# Altium PCB PCB1.PcbDoc (part 2 of 2)
Units mm, origin at the board's own origin, x right, y up, seen from the top; angles counter-clockwise.
Board outline 45.33 x 29.59 mm, 4 copper layers (Top Layer, Int1 (GND), Int2 (PWR), Bottom Layer), stack 1.586 mm thick; 72 components, 53 nets, 240 pads, 118 vias.
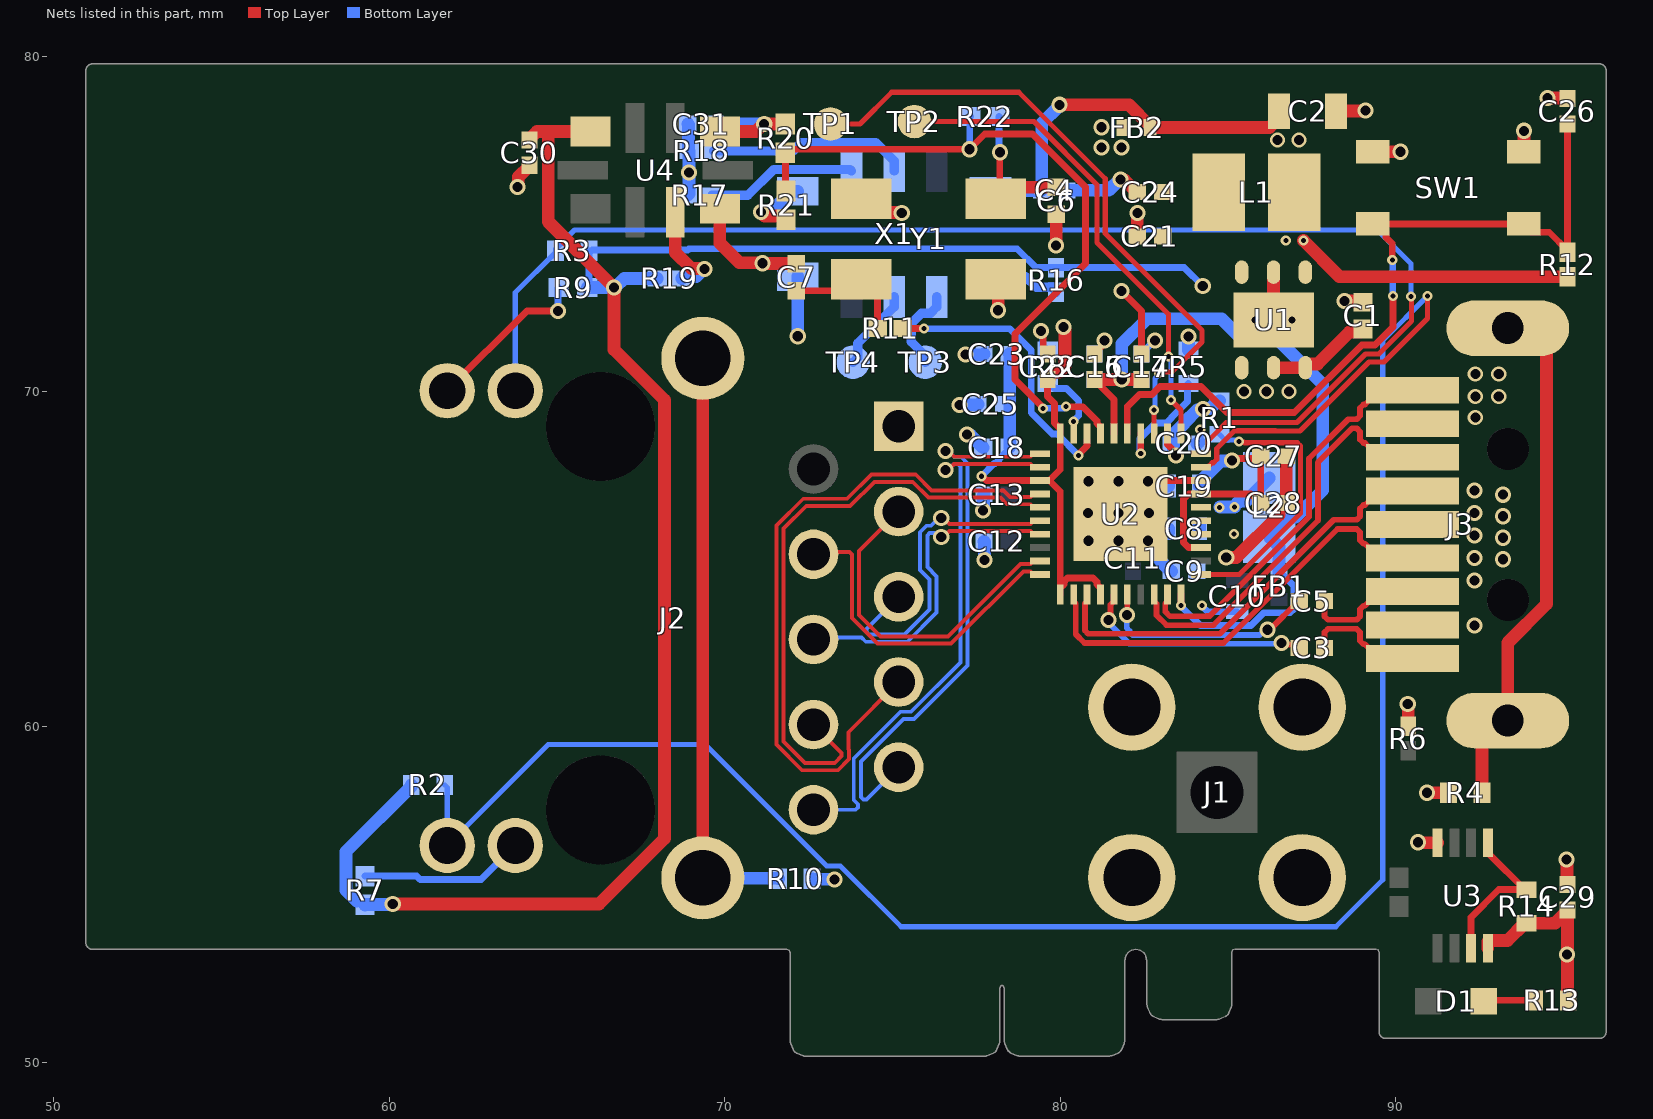
[diagram p4: the nets of this part, all layers, seen from the top]

## Via types
v1: diameter 0.48, hole 0.3, Top Layer to Bottom Layer, tented both sides, 78 vias
v2: diameter 0.3, hole 0.15, Top Layer to Bottom Layer, tented both sides, 28 vias
v3: diameter 0.45, hole 0.3, Top Layer to Bottom Layer, tented both sides, 10 vias
v4: diameter 0.5, hole 0.2, Top Layer to Bottom Layer, 2 vias

## Nets (pads, with @x,y where several pads share a name; then routed paths per layer and width w, separated by ;. In a path a pad name is that pad's centre, name@x,y a point inside that pad or via, vN(x,y) a via of type N, cw(c..) or ccw(c..) an arc to the next point about the centre after c; other vN are vias at no path point) (continued)
AVDD_33: C18.2 C21.2 C22.2 C23.2 C24.2 C25.2 FB2.2 U2.1 U2.4 U2.30 U2.33 | length 16.6
  Top Layer w0.203: v2(77.65,67.475) 77.676,67.475 77.803,67.348 U2.33@79.401,67.348 79.403,67.349 79.673,67.349 80.001,67.677 U2.30@80.001,68.748 80,68.749 80,68.946 79.949,68.946 79.828,69.067 79.828,69.641 79.618,69.852 C22.2@79.618,70.35 ; U2.33@79.673,67.346 80.001,67.019 U2.1@80.001,64.145 ; U2.1@80.001,63.948 U2.1@80.001,64.145 ; U2.4@81.201,63.948 81.201,64.145 81.093,64.254 81.093,64.327 80.98,64.44 80.222,64.44 80.11,64.327 80.11,64.254 U2.1@80.001,64.145
  Top Layer w0.381: C22.2@79.629,70.36 79.629,70.382 79.827,70.579 79.981,70.579 80.146,70.744 80.146,71.852 80.1,71.898 v1(80.1,71.925)
  Bottom Layer w0.203: v2(77.65,67.475) 78.028,67.853 78.063,67.853 78.184,67.975 78.184,68.003 C18.2@78.506,68.326 ; C18.2@78.495,68.337 C18.2@78.506,68.326
  Bottom Layer w0.381: C23.2@78.484,71.12 78.495,71.109 78.495,69.723 C18.2@78.495,68.337
  other v1: 81.225,77.275 81.825,77.275 81.225,77.88
CHASSIS_GND: J2.S1 J2.S2 R10.1 | length 18
  Top Layer w0.381: J2.S2@69.076,55.501 J2.S2@69.344,55.501 J2.S1@69.344,70.991
  Bottom Layer w0.381: J2.S2@69.344,55.501 69.357,55.488 71.587,55.488 R10.1@71.6,55.475
D_N: J3.2 U2.3 | length 12.8
  Top Layer w0.17: U2.3@80.801,63.948 80.801,63.748 80.737,63.684 80.737,62.876 80.837,62.777 84.757,62.777 88.156,66.176 88.84,66.176 88.94,66.276 88.94,66.513 89.042,66.615 89.09,66.615 89.515,67.04 J3.2@90.505,67.04
D_P: J3.3 U2.2 | length 13.3
  Top Layer w0.17: U2.2@80.401,63.948 80.401,63.748 80.465,63.684 80.465,62.764 80.724,62.505 84.87,62.505 88.269,65.904 88.84,65.904 88.94,65.804 88.94,65.567 89.042,65.465 89.09,65.465 89.515,65.04 J3.3@90.505,65.04
DVDD11: C8.2 C9.2 C14.2 C15.2 C16.2 C17.2 FB1.1 L2.2 U2.10 U2.14 U2.15 U2.26 | length 24.9
  Top Layer w0.203: C16.2@81.026,70.36 81.026,70.339 81.601,69.764 U2.26@81.601,68.748 ; v2(83.601,63.623) U2.10@83.601,63.948
  Top Layer w0.381: C16.2@81.026,70.36 v1(81.835,70.36) C17.2@82.423,70.36
  Bottom Layer w0.203: v2(83.601,63.623) 83.601,63.599 84.179,63.021 85.692,63.021 86.079,63.409 86.854,63.409 86.967,63.521 86.967,64.209 86.575,64.6 FB1.1@86.525,64.6
  Bottom Layer w0.381: C15.2@81.026,70.36 v1(81.835,70.36) ; C14.2@82.423,70.36 v1(81.835,70.36) ; C8.2@84.156,65.913 C8.2@84.156,66.025 ; FB1.1@86.525,64.6 86.525,65.38 L2.2@86.233,65.672 86.82,66.259 87.02,66.259 87.83,67.069 87.83,70.209 86.434,71.605 85.379,71.605 84.817,72.168 82.583,72.168 81.835,71.42 v1(81.835,70.36)
  other v2: 85.175,65.75
DVDD_33: C2.2 C4.2 C19.2 C20.2 C27.2 C28.2 C30.2 FB2.1 L1.2 R1.2 R2.1 R3.1 R5.2 R6.1 R7.1 R9.1 R12.2 R16.1 R19.1 U1.1 U2.13 U2.17 U2.22 U4.9 X1.10 | length 92.7
  Top Layer w0.203: U2.22@83.203,68.549 83.203,68.422 83.457,68.168 v1(83.457,68.093) ; U2.13@84.201,65.348 83.825,65.348 83.675,65.498 83.675,66.798 83.825,66.948 85.687,66.948 85.96,66.675 C28.2@85.981,66.675 C27.2@85.981,68.072 85.912,68.003 85.178,68.003 v1(85.125,67.95)
  Top Layer w0.381: v1(60.1,54.725) 66.25,54.725 68.2,56.675 68.2,69.75 66.7,71.25 v1(66.7,73.1) 64.736,75.064 64.736,77.711 64.775,77.75 ; C30.2@64.175,77.504 64.175,77.525 64.4,77.75 64.775,77.75 ; U4.9@66,77.75 64.775,77.75 ; v1(79.975,78.55) 82.047,78.55 82.677,77.92 FB2.1@82.677,77.87 86.237,77.87 86.526,78.159 C2.2@86.526,78.359 ; v2(87.25,74.5) 88.329,73.421 R12.2@95.123,73.421 ; R6.1@90.375,60.016 v1@90.375,60.675
  Bottom Layer w0.203: R9.1@65.904,73.1 65.95,73.146 R3.1@65.95,74.2 66.025,74.2 66.05,74.225 68.898,74.225 68.929,74.257 78.719,74.257 79.272,73.703 83.697,73.703 v1(84.25,73.15)
  Bottom Layer w0.381: R7.1@59.024,54.814 58.708,55.13 58.708,56.283 60.65,58.225 R2.1@60.65,58.275 ; R7.1@59.275,54.696 59.289,54.711 60.086,54.711 v1(60.1,54.725) ; R9.1@65.904,73.1 v1(66.7,73.1) 66.727,73.1 67.002,73.375 R19.1@67.984,73.375 ; X1.10@77.925,75.97 77.94,75.985 79.431,75.985 C4.2@79.446,76 79.446,77.995 79.975,78.523 v1(79.975,78.55) ; v1(83.457,68.093) 83.457,68.12 83.382,68.195 83.382,68.407 83.336,68.453 83.382,68.499 83.382,68.733 83.699,69.05 83.699,69.07 84.089,69.461 84.241,69.461 v1(84.26,69.48) ; R5.2@83.82,71.239 83.822,71.241 v1(83.822,71.648) ; C19.2@84.156,67.183 84.156,67.295 84.791,67.931 85.106,67.931 v1(85.125,67.95) ; v1@84.26,69.499 84.474,69.499 84.641,69.665 84.691,69.665 R1.2@84.75,69.725
  other v1: 90.363,60.687
  other v2: 86.725,74.5
  other v3: 86.475,77.5 87.125,77.5
GND: C1.1 C2.1 C4.1 C6.2 C7.2 C8.1 C9.1 C10.1 C11.1 C12.1 C13.1 C14.1 C15.1 C16.1 C17.1 C18.1 C19.1 C20.1 C21.1 C22.1 C23.1 C24.1 C25.1 C26.1 C27.1 C28.1 C29.1 C30.1 C31.2 J1.2 J1.3 J1.4 J1.5 J2.1 J3.4 J3.7 R4.1 R8.2 R10.2 R17.1 R18.1 SW1.1 SW1.2 U1.2 U1.7 U2.18 U2.41 U3.4 U4.4 X1.5 Y1.2 Y1.4 | length 39.7
  Top Layer w0.203: v1(79.425,71.8) 79.425,71.725 79.494,71.656 79.494,71.252 C22.1@79.629,71.118 ; C16.1@81.026,71.118 81.026,71.139 81.272,71.385 81.272,71.472 v1(81.325,71.525) ; v1(81.825,73) 82.423,72.402 C17.1@82.423,71.118 ; v1(82.623,67.326) 82.645,67.348 U2.18@84.201,67.348
  Top Layer w0.381: v1(63.825,76.1) 63.844,76.119 63.844,76.394 64.175,76.725 C30.1@64.175,76.746 ; U4.4@69.85,75.45 69.85,74.425 70.431,73.844 71.106,73.844 71.135,73.815 C7.2@72.132,73.815 ; Y1.2@74.089,76.043 74.782,75.35 74.782,75.339 75.263,75.339 v1(75.275,75.327) ; v1(78.15,72.425) 78.15,72.939 78.521,73.311 Y1.4@78.573,73.311 ; v1(79.875,74.35) 79.879,74.354 79.879,75.295 C6.2@79.886,75.302 ; v1(81.8,76.325) 81.819,76.306 81.917,76.306 82.275,75.948 C24.1@82.275,75.941 ; C21.1@82.296,74.625 82.298,74.627 82.298,75.323 v1(82.3,75.325) ; v1(84.95,65.05) 85.247,65.05 86.52,66.323 86.52,66.477 86.717,66.675 C28.1@86.739,66.675 C27.1@86.739,68.072 ; U1.7@86.36,72.136 U1.2@86.36,73.561 ; C2.1@88.348,78.386 88.348,78.38 88.361,78.367 89.092,78.367 v1(89.1,78.375) ; v1(88.475,72.7) 88.991,72.7 C1.1@89.027,72.664 ; SW1.1@89.598,77.186 89.634,77.15 v1(90.15,77.15) ; v1@90.675,56.55 U3.4@91.25,56.55 ; v1@90.925,58.05 v1(90.936,58.039) R4.1@91.575,58.039 ; SW1.2@93.789,77.223 93.825,77.259 v1(93.825,77.775) ; v1(94.525,78.75) 95.041,78.75 C26.1@95.077,78.714 ; v1(95.1,56.05) 95.112,56.038 95.112,55.316 C29.1@95.125,55.304
  Bottom Layer w0.203: v1(79.425,71.8) 79.478,71.747 79.478,71.387 79.626,71.239 R8.2@79.629,71.239 ; C14.1@82.423,71.118 82.423,71.139 82.809,71.525 v1(82.825,71.525) ; C20.1@84.072,68.453 84.175,68.556 v2(84.175,68.875) ; v2(84.225,63.623) 84.225,63.6 84.388,63.437 C10.1@85.275,63.437
  Bottom Layer w0.381: R17.1@68.884,75.85 68.889,75.85 68.934,75.896 v1(68.934,76.535) R18.1@68.934,77.175 68.917,77.192 68.917,77.958 C31.2@68.9,77.975 ; v1(72.175,71.65) X1.5@72.175,73.43 ; R10.2@72.6,55.475 72.612,55.463 73.263,55.463 v1(73.275,55.45) ; v1(76.999,69.605) 77.53,69.605 C25.1@77.55,69.625 ; v1(77.175,71.1) 77.706,71.1 C23.1@77.726,71.12 ; v1(77.225,68.725) 77.244,68.706 77.325,68.706 C18.1@77.704,68.326 ; v1(77.7,66.45) 77.713,66.463 77.713,66.916 C13.1@77.726,66.929 ; C12.1@77.726,65.532 77.746,65.512 v1(77.746,64.981) ; C4.1@80.204,76 81.448,76 81.773,76.325 v1(81.8,76.325) ; v1(81.736,65.551) 81.763,65.551 81.845,65.47 82.123,65.47 82.169,65.424 C11.1@82.169,65.403 ; v1(82.623,65.551) 82.642,65.533 82.642,65.294 83.293,64.643 C9.1@83.314,64.643 ; v1(82.623,67.326) 82.642,67.308 83.196,67.308 83.23,67.273 C19.1@83.23,67.183 ; 82.888,65.57 83.083,65.766 83.196,65.766 83.23,65.801 C8.1@83.23,65.913 ; C20.1@84.072,68.453 84.093,68.453 C20.1@84.139,68.499
  other v1: 90.663,56.563 92.35,63.025 92.35,64.367 93.2,65 92.35,65.037 80.848,65.551 93.2,65.642 92.35,65.708 93.2,66.283 80.824,66.375 81.736,66.375 82.649,66.375 92.35,66.379 93.2,66.925 92.35,67.05 80.848,67.326 81.736,67.326 71.125,73.825
  other v4: 85.81,72.136 86.91,72.136
LED0: J2.14 R2.2 U2.19 | length 61.2
  Top Layer w0.153: U2.19@84.201,67.748 84.401,67.748 84.533,67.88 84.568,67.88 84.667,67.979 84.667,68.306 85.194,68.833 86.417,68.833 86.425,68.825 87.15,68.825 89.204,70.879 89.654,70.879 90.95,72.175 v2(90.95,72.85)
  Bottom Layer w0.153: R2.2@61.65,58.275 61.724,58.201 J2.14@61.724,56.466 64.733,59.475 69.419,59.475 73.038,55.856 73.443,55.856 75.257,54.043 88.218,54.043 89.618,55.443 89.618,71.518 v2(90.95,72.85)
LED1: J2.11 R3.2 U2.20 | length 40.5
  Top Layer w0.153: U2.20@84.387,68.148 84.41,68.171 84.41,68.535 84.95,69.075 84.966,69.075 ; 84.967,69.076 87.057,69.076 89.104,71.122 89.498,71.122 90.475,72.099 v2@90.475,72.825
  Bottom Layer w0.153: J2.11@63.754,70.026 63.754,72.954 64.95,74.15 R3.2@64.95,74.2 64.95,74.25 65.517,74.817 89.456,74.817 90.463,73.81 v2(90.463,72.837)
LX: L2.1 U2.16 | length 1.8
  Bottom Layer w0.381: v2@84.762,66.562 v2(85.198,66.562) ; v2@85.184,66.575 85.339,66.73 85.538,66.73 L2.1@86.233,67.424
  other v2: 84.75,66.55
MDI0_N: J2.10 U2.32 | length 16.5
  Top Layer w0.116: v1(76.581,67.663) 76.655,67.663 76.831,67.839 77.972,67.839 79.11,67.839 79.201,67.748 U2.32@79.401,67.748
  Bottom Layer w0.116: J2.10@72.644,57.531 73.9,57.531 73.968,57.599 73.968,57.695 73.843,57.82 73.843,59.059 75.238,60.454 75.551,60.454 77.022,61.924 77.022,67.771 76.954,67.839 76.831,67.839 76.655,67.663 v1(76.581,67.663)
MDI0_P: J2.9 U2.31 | length 16.7
  Top Layer w0.116: v1(76.581,68.233) 76.655,68.233 76.831,68.057 77.882,68.057 79.11,68.057 79.201,68.148 U2.31@79.401,68.148
  Bottom Layer w0.116: J2.9@75.184,58.801 74.225,57.842 74.129,57.842 74.061,57.91 74.061,58.969 75.328,60.236 75.642,60.236 77.239,61.834 77.239,67.861 77.044,68.057 76.831,68.057 76.655,68.233 v1(76.581,68.233)
MDI1_N: J2.8 U2.35 | length 18.3
  Top Layer w0.116: J2.8@72.644,60.071 73.485,59.23 73.485,59.134 73.279,58.928 72.39,58.928 71.755,59.563 71.755,65.913 72.428,66.586 73.738,66.586 74.46,67.308 75.603,67.308 76.073,66.838 78.216,66.838 78.415,66.639 79.11,66.639 79.201,66.548 U2.35@79.401,66.548
MDI1_P: J2.7 U2.34 | length 20.9
  Top Layer w0.116: J2.7@75.184,61.341 73.687,59.844 73.687,59.336 73.703,59.32 73.703,59.044 73.369,58.71 72.3,58.71 71.537,59.473 71.537,66.003 72.338,66.804 73.648,66.804 74.369,67.526 75.693,67.526 76.163,67.056 78.306,67.056 78.505,66.857 79.11,66.857 79.201,66.948 U2.34@79.401,66.948
MDI2_N: J2.6 U2.37 | length 10.1
  Top Layer w0.116: v1(76.454,65.663) 76.528,65.663 76.704,65.839 78.281,65.839 79.11,65.839 79.201,65.748 U2.37@79.401,65.748
  Bottom Layer w0.116: J2.6@72.644,62.611 72.705,62.672 74.071,62.672 74.203,62.54 75.442,62.54 76.315,63.413 76.315,64.492 76.04,64.767 76.04,65.714 76.108,65.783 76.236,65.783 76.356,65.663 v1(76.454,65.663)
MDI2_P: J2.5 U2.36 | length 9.9
  Top Layer w0.116: v1(76.454,66.233) 76.528,66.233 76.704,66.057 78.191,66.057 79.11,66.057 79.201,66.148 U2.36@79.401,66.148
  Bottom Layer w0.116: J2.5@75.184,63.881 74.225,62.922 74.225,62.826 74.293,62.758 75.352,62.758 76.097,63.503 76.097,64.402 75.822,64.677 75.822,65.805 76.018,66 76.147,66 76.38,66.233 v1(76.454,66.233)
MDI3_N: J2.4 U2.40 | length 10
  Top Layer w0.116: J2.4@72.644,65.151 72.705,65.212 73.719,65.212 73.787,65.144 73.787,64.338 73.787,63.246 74.549,62.484 76.747,62.484 78.902,64.639 79.11,64.639 79.201,64.548 U2.40@79.401,64.548
MDI3_P: J2.3 U2.39 | length 10.2
  Top Layer w0.116: J2.3@75.184,66.421 74.005,65.242 74.005,64.248 74.005,63.336 74.639,62.702 76.657,62.702 78.812,64.857 79.11,64.857 79.201,64.948 U2.39@79.401,64.948
NetC6_1: C6.1 R22.1 Y1.1 | length 4.3
  Top Layer w0.203: Y1.1@78.073,75.749 78.2,75.876 v1(78.2,77.135)
  Top Layer w0.381: Y1.1@78.2,75.876 78.416,76.092 C6.1@79.883,76.092
  Bottom Layer w0.203: v1@78.175,77.15 78.179,77.154 R22.1@78.179,78.2
NetC7_1: C7.1 R11.1 Y1.3 | length 3.7
  Top Layer w0.203: C7.1@72.136,73.006 73.73,73.006 Y1.3@74.073,73.349 74.555,72.867 R11.1@74.555,71.882
NetC31_1: C31.1 R20.1 U4.6 | length 3.5
  Top Layer w0.381: U4.6@69.85,77.75 70.923,77.75 71.148,77.975 v1(71.175,77.975) 71.177,77.977 71.798,77.977 R20.1@71.8,77.979
  Bottom Layer w0.381: C31.1@69.7,77.975 v1(71.175,77.975)
NetD1_2: D1.2 R13.2 | length 1.5
  Top Layer w0.203: D1.2@92.625,51.825 92.65,51.85 R13.2@94.15,51.85
NetJ2_12: J2.12 R9.2 | length 5.3
  Top Layer w0.203: J2.12@61.724,70.026 64.098,72.4 v1(65.025,72.4)
  Bottom Layer w0.203: J2.12@61.724,70.026 61.724,69.751 J2.12@61.75,69.725 ; v1(65.025,72.4) 65.025,73.079 R9.2@65.046,73.1
NetJ2_13: J2.13 R7.2 | length 5.1
  Bottom Layer w0.153: J2.13@63.754,56.466 J2.13@63.84,56.38
  Bottom Layer w0.203: R7.2@59.275,55.554 60.813,55.554 60.917,55.45 62.737,55.45 J2.13@63.754,56.466
NetJ3_SH1: J3.SH1 J3.SH2 R4.2 | length 15.6
  Top Layer w0.381: R4.2@92.575,58.039 92.575,59.599 93.166,60.19 J3.SH1@93.345,60.19 93.345,62.509 94.5,63.664 94.5,71.299 93.909,71.89 J3.SH2@93.345,71.89
NetL1_1: L1.1 U1.3
NetR1_1: R1.1 U2.11 | length 8.3
  Top Layer w0.153: U2.11@84.201,64.548 85.341,64.548 87.163,66.37 87.163,68.377 87.065,68.475 85.493,68.475 85.48,68.488 85.353,68.488 v2(85.325,68.516)
  Bottom Layer w0.153: R1.1@84.75,68.725 84.924,68.552 85.25,68.552 85.285,68.516 v2(85.325,68.516)
NetR5_1: R5.1 U2.24 | length 3.5
  Top Layer w0.203: v2(82.401,68.151) v2(82.401,68.151) U2.24@82.401,68.748
  Bottom Layer w0.203: v2(82.401,68.151) 82.382,68.17 82.382,68.602 82.839,69.059 83.166,69.059 83.317,69.209 83.317,69.228 83.792,69.704 83.792,70.211 R5.1@83.82,70.239
NetR8_1: R8.1 U2.29 | length 1.8
  Bottom Layer w0.203: R8.1@79.629,70.239 79.679,70.239 79.827,70.091 80.188,70.091 80.55,69.728 80.55,69.279 80.399,69.128 v2(80.399,69.112)
NetR14_1: R14.1 U3.1 U3.7 | length 4.8
  Top Layer w0.203: U3.7@92.25,53.4 92.25,54.325 93.075,55.15 R14.1@93.85,55.15 ; U3.1@92.75,56.55 92.799,56.502 92.799,56.201 R14.1@93.85,55.15 ; R14.1@93.9,55.15 R14.1@93.85,55.15
NetR16_2: R16.2 X1.1 | length 2.2
  Bottom Layer w0.276: X1.1@77.925,73.43 78.964,73.43 79.282,73.112 79.777,73.112 79.875,73.014 R16.2@79.875,72.959
NetR17_2: R17.2 X1.7 | length 4.5
  Bottom Layer w0.276: R17.2@69.616,75.85 70.682,75.85 71.456,76.623 72.894,76.623 73.732,76.623 X1.7@73.78,76.575
NetR18_2: R18.2 X1.8 | length 6
  Bottom Layer w0.276: R18.2@69.666,77.175 72.031,77.175 72.284,77.428 74.497,77.428 75.05,76.875 X1.8@75.05,76.575
NetR19_2: R19.2 U4.3 | length 3.1
  Top Layer w0.381: U4.3@68.525,75.343 68.525,74.15 69.006,73.669 69.381,73.669 v1(69.4,73.65)
  Bottom Layer w0.381: R19.2@68.716,73.375 68.761,73.421 69.144,73.421 69.373,73.65 v1(69.4,73.65)
NetR21_1: R21.1 X1.6 | length 2.1
  Top Layer w0.381: v1@71.186,75.239 71.729,75.239 71.825,75.143 R21.1@71.825,75.121
  Bottom Layer w0.381: v1(71.075,75.354) 71.094,75.373 71.378,75.373 71.975,75.97 X1.6@72.175,75.97
NetTP1_1: TP1.1 U2.23 | length 19.2
  Top Layer w0.153: TP1.1@73.152,77.978 74.028,77.978 74.975,78.925 78.763,78.925 81.343,76.345 81.343,74.711 84.229,71.825 84.229,71.479 83.328,70.578 82.978,70.578 v2(82.95,70.55) ; U2.23@82.801,68.748 v2@82.8,69.45
  Bottom Layer w0.153: v2(82.8,69.45) 82.826,69.476 82.826,70.386 82.95,70.51 v2(82.95,70.55)
NetTP2_1: TP2.1 U2.21 | length 14.7
  Top Layer w0.153: TP2.1@75.65,78.05 79.22,78.05 81.1,76.17 81.1,74.44 83.231,72.308 83.231,71.056 v2(83.225,71.05) ; v2(83.3,69.75) 83.601,69.449 U2.21@83.601,68.748
  Bottom Layer w0.153: v2(83.225,71.05) 83.225,71.01 83.3,70.935 v2(83.3,69.75)
NetTP3_1: TP3.1 X1.2 | length 2.6
  Bottom Layer w0.276: TP3.1@75.975,70.875 75.975,71.071 75.559,71.487 75.559,72.032 75.865,72.338 76.133,72.338 76.32,72.525 X1.2@76.32,72.825
NetTP4_1: TP4.1 X1.3 | length 2.5
  Bottom Layer w0.276: TP4.1@73.825,70.875 73.964,71.014 73.964,71.439 75.05,72.525 X1.3@75.05,72.825
RESET_N: C26.2 R12.1 SW1.3 SW1.4 U2.25 | length 23.6
  Top Layer w0.203: U2.25@82.001,68.748 82.001,69.274 82,69.275 82,69.552 82.36,69.911 82.739,69.911 82.977,70.15 84.2,70.15 84.975,69.375 86.977,69.375 88.993,71.39 89.387,71.39 89.925,71.928 v2(89.925,72.85) ; SW1.3@89.317,74.998 SW1.3@89.467,74.998 ; v2(89.9,73.925) 89.9,74.415 89.716,74.6 89.716,74.749 SW1.3@89.467,74.998 ; R12.1@95.123,74.153 R12.1@95.123,74.207 ; C26.2@95.123,77.978 R12.1@95.123,74.207 ; SW1.3@89.467,74.998 SW1.4@93.817,74.998 94.066,74.749 94.58,74.749 R12.1@95.123,74.207
  Bottom Layer w0.203: v2(89.9,73.925) 89.912,73.913 89.912,72.862 v2(89.925,72.85)
SSRX_N: J3.8 U2.8 | length 12.4
  Top Layer w0.17: U2.8@82.801,63.948 82.801,63.748 82.871,63.678 82.871,63.331 83.164,63.037 84.571,63.037 87.686,66.153 87.686,67.868 87.675,67.88 88.699,68.904 88.84,68.904 88.94,68.804 88.94,68.567 89.042,68.465 89.09,68.465 89.515,68.04 J3.8@90.505,68.04
SSRX_P: J3.9 U2.9 | length 11.9
  Top Layer w0.17: U2.9@83.201,63.948 83.201,63.748 83.131,63.678 83.131,63.439 83.272,63.297 84.36,63.297 84.371,63.309 84.458,63.309 87.414,66.266 87.414,68.004 88.586,69.176 88.84,69.176 88.94,69.276 88.94,69.513 89.042,69.615 89.09,69.615 89.515,70.04 J3.9@90.505,70.04
SSTX_N: C3.2 U2.5 | length 6.9
  Top Layer w0.17: v1(81.439,63.192) 81.498,63.251 81.498,63.645 81.586,63.733 81.586,63.933 U2.5@81.601,63.948 ; v1(86.595,62.508) 86.654,62.449 87.033,62.449 C3.2@87.124,62.357
  Bottom Layer w0.17: v1(81.439,63.192) 81.439,63.108 81.71,62.837 81.71,62.832 82.058,62.484 86.571,62.484 v1(86.595,62.508)
SSTX_P: C5.2 U2.6 | length 6.7
  Top Layer w0.17: v1(81.988,63.342) 81.995,63.349 81.995,63.942 U2.6@82.001,63.948 ; v1(86.181,62.899) 86.248,62.899 87.103,63.754 C5.2@87.124,63.754
  Bottom Layer w0.17: v1(81.988,63.342) 81.982,63.336 81.982,62.949 82.066,62.866 82.066,62.844 82.166,62.744 85.942,62.744 86.097,62.899 v1(86.181,62.899)
USB3.0_SSTX_N: C3.1 J3.5 | length 3.7
  Top Layer w0.17: C3.1@87.882,62.357 87.882,62.825 87.981,62.925 88.547,62.925 88.84,62.925 88.94,62.825 88.94,62.567 89.042,62.465 89.09,62.465 89.515,62.04 J3.5@90.505,62.04
USB3.0_SSTX_P: C5.1 J3.6 | length 3.6
  Top Layer w0.17: C5.1@87.882,63.754 87.882,63.297 87.981,63.197 88.434,63.197 88.84,63.197 88.94,63.297 88.94,63.513 89.042,63.615 89.09,63.615 89.515,64.04 J3.6@90.505,64.04
VBUS_+5V: C1.2 C29.2 J3.1 R13.1 R14.2 U1.4 U1.5 U1.6 U3.8 | length 8.9
  Top Layer w0.203: R13.1@95.137,51.863 R13.1@95.15,51.85
  Top Layer w0.381: U1.5@86.36,70.711 U1.6@87.31,70.711 87.31,70.816 87.319,70.825 87.675,70.825 88.622,71.772 88.938,71.772 C1.2@89.027,71.862 ; U3.8@92.75,53.4 92.75,53.594 92.791,53.635 93.335,53.635 93.85,54.15 R14.2@93.9,54.15 94.75,54.15 C29.2@95.125,54.525 ; C29.2@95.125,54.546 C29.2@95.125,54.525 ; R13.1@95.137,51.863 95.125,51.875 C29.2@95.125,54.525
  other v1: 95.112,53.212
  other v3: 92.375,69.225 92.375,69.85 93.075,69.85 85.475,70 86.15,70 86.825,70 92.375,70.525 93.075,70.525
XTL20N: R11.2 U2.28 | length 8.4
  Top Layer w0.203: R11.2@75.305,71.882 75.309,71.878 75.933,71.878 v2(75.937,71.875) ; v2(80.55,68.1) 80.55,68.126 80.8,68.376 U2.28@80.8,68.549
  Bottom Layer w0.203: v2@75.95,71.875 78.493,71.875 79.137,71.231 79.137,69.366 79.765,68.739 79.911,68.739 v2(80.55,68.1)
XTL20P: R20.2 R21.2 R22.2 U2.27 | length 21.8
  Top Layer w0.203: R21.2@71.825,75.979 71.813,75.991 71.813,77.109 R20.2@71.8,77.121 71.904,77.225 v1(77.3,77.225) 77.75,77.675 79.175,77.675 80.75,76.1 80.75,73.814 78.65,71.714 78.65,70.363 79.487,69.526 v2(79.487,69.5) ; v2(80.17,69.55) 80.67,69.55 81.093,69.127 81.093,69.053 U2.27@81.2,68.946
  Bottom Layer w0.203: v1(77.3,77.225) 77.3,78.179 R22.2@77.321,78.2 ; v2(79.487,69.5) 80.094,69.5 80.144,69.55 v2(80.17,69.55)
pads on no net: J2. J2.2 J3. U4.1 U4.2 U4.5 U4.7 U4.8 U4.10 X1.4 X1.9

## Polygon pours and split planes (outlines as drawn)
GND on Top Layer "GND_L01_P021" (solid, pour order 21): 90.975,63.425 90.975,62.65 92.65,62.65 93.975,63.975 93.8,64.15 93.8,67.075 93.425,67.45 90.95,67.45
AVDD_33 on Top Layer "AVDD_33_L01_P019" (solid, pour order 19): 80.95,78.15 80.95,77.1 81.375,76.675 82.75,76.675 82.75,74.375 82.775,74.35 83.35,74.35 83.35,76.675 82.575,77.45 82.1,77.45 82.1,78.15
VBUS_+5V on Top Layer "VBUS_+5V_L01_P014" (solid, pour order 14): 84.925,71.2 87.65,71.2 87.65,69.65 84.925,69.65
AVDD_33 on Top Layer "AVDD_33_L01_P017" (solid, pour order 17): 82.1,78.15 82.1,77.1 80.95,77.1 80.95,78.15
VBUS_+5V on Top Layer "VBUS_+5V_L01_P012" (solid, pour order 12): 91.775,68.625 93.425,68.625 93.425,71.2 91.775,71.2
DVDD11 on Top Layer "DVDD11_L01_P006" (solid, pour order 6): 83.9,66.275 85.4,66.275 85.4,65.575 83.9,65.575
LX on Top Layer "LX_L01_P005" (solid, pour order 5): 83.9,66.7 83.9,66.4 85.5,66.4 85.5,66.7
NetL1_1 on Top Layer "NETL1_1_L01_P004" (solid, pour order 4): 85.09,73.152 85.725,73.152 85.725,77.216 83.82,77.216 83.82,74.676 85.09,73.406
DVDD_33 on Top Layer "DVDD_33_L01_P003" (solid, pour order 3): 87.503,73.152 87.503,74.295 87.884,74.676 87.884,77.216 87.376,77.724 87.376,78.994 86.106,78.994 86.106,74.676 86.868,73.914 86.868,73.152
DVDD11 on Bottom Layer "DVDD11_L04_P008" (solid, pour order 8): 83.65,64.375 83.65,66.275 84.35,66.275 84.35,64.375
DVDD11 on Bottom Layer "DVDD11_L04_P007" (solid, pour order 7): 83.9,66.275 86.5,66.275 86.5,65.575 83.9,65.575
AVDD_33 on Int2 (PWR) "AVDD_33_L03_P015" (solid, remove dead copper, pour order 15): 49.7,80.075 49.7,67.05 82.625,67.05 82.625,80.075
AVDD11 on Int2 (PWR) "AVDD11_L03_P016" (solid, remove dead copper, pour order 16): 49.9,67 82.625,67 82.625,64.725 88.725,64.725 88.725,49.275 49.9,49.275
DVDD_33 on Int2 (PWR) "DVDD_33_L03_P023" (solid, remove dead copper, pour order 23): 97.265,80 82.725,80 82.725,43.9 97.428,43.9
VBUS_+5V on Int2 (PWR) "VBUS_+5V_L03_P022" (solid, remove dead copper, pour order 22): 96.1,47.025 96.1,71.175 93.3,71.175 93.3,45.25
VBUS_+5V on Int2 (PWR) "VBUS_+5V_L03_P011" (solid, pour order 11): 84.925,71.2 93.4,71.2 93.4,68.345 93.345,68.29 84.935,68.29 84.925,68.3
GND on Int1 (GND) "GND_L02_P020" (solid, remove dead copper, pour order 20): 50.342,83.625 98.675,83.625 98.675,45.35 98.525,45.2 50.562,45.2

## Keep-outs
Keep-Out Layer:
  lines w0.2: 51.075,53.569 66.562,53.569 71.873,53.576 72.073,53.498 72.151,53.299 72.151,50.638 72.226,50.457 72.407,50.382 77.743,50.382 77.926,50.458 77.999,50.642 77.999,52.247 78.077,52.435 78.265,52.512 78.453,52.435 78.531,52.247 78.531,50.645 78.606,50.463 78.788,50.389 81.466,50.389 81.646,50.464 81.721,50.645 81.721,53.044 81.762,53.247 81.877,53.42 82.05,53.536 82.254,53.576 82.461,53.534 82.63,53.42 82.744,53.251 82.786,53.044 82.786,51.733 82.861,51.552 83.042,51.477 84.662,51.477 84.843,51.552 84.918,51.733 84.918,53.325 84.993,53.506 85.174,53.581 89.453,53.581 89.636,53.5 89.705,53.312 89.705,50.913 94.988,50.913 96.077,50.913 96.077,77.812 96.077,79.629 51.075,79.629
  lines w0.254: 51.075,53.569 51.075,79.629

## Other copper
Top Layer:
  rectangle: 78.848,50.655 79.498,52.88
  rectangle: 80.731,50.655 81.381,52.88
  rectangle: 79.79,50.655 80.44,52.88
  rectangle: 76.165,50.655 76.815,52.88
  rectangle: 77.106,50.655 77.756,52.88
  rectangle: 74.282,50.655 74.932,52.88
  rectangle: 75.223,50.655 75.873,52.88
  rectangle: 73.341,50.655 73.991,52.88
  rectangle: 72.4,50.655 73.05,52.88
Bottom Layer:
  rectangle: 72.4,50.68 73.05,52.905
  rectangle: 73.341,50.68 73.991,52.905
  rectangle: 74.282,50.68 74.932,52.905
  rectangle: 75.223,50.68 75.873,52.905
  rectangle: 76.165,50.68 76.815,52.905
  rectangle: 77.106,50.68 77.756,52.905
  rectangle: 78.848,50.68 79.498,52.905
  rectangle: 79.79,50.68 80.44,52.905
  rectangle: 80.731,50.68 81.381,52.905

## Silkscreen, mask and mechanical layers (free items; w line width, h text height)
Bottom Overlay:
  lines w0.254: 66.527,53.511 71.838,53.518 72.038,53.44 72.116,53.24 72.116,50.579 72.191,50.398 72.372,50.323 77.708,50.323 77.891,50.4 77.964,50.584 77.964,52.189 78.042,52.377 78.231,52.454 ; 93.914,50.859 93.915,50.855 89.67,50.855 89.67,53.254 89.601,53.442 89.418,53.522 85.139,53.522 84.958,53.447 84.883,53.266 84.883,51.675 84.808,51.494 84.627,51.419 83.007,51.419 82.826,51.494 82.751,51.675 82.751,52.985 82.709,53.193 82.595,53.362 82.426,53.476 82.219,53.518 ; 96.042,50.913 96.042,77.754 96.099,78.042 ; 78.231,52.454 78.231,52.454 ; 78.231,52.454 78.418,52.377 78.496,52.189 78.496,50.586 78.571,50.405 78.753,50.33 81.431,50.33 81.612,50.405 81.687,50.586 81.687,52.985 81.727,53.189 81.842,53.362 82.015,53.477 82.219,53.518 ; 82.219,53.518 82.219,53.518
  lines w0.4: 57.875,79.571 96.077,79.571 96.077,50.913 ; 58.096,79.571 51.15,79.571 51.15,53.569 66.562,53.569 71.873,53.576 72.073,53.498 72.151,53.299 72.151,50.638 72.226,50.457 72.407,50.382 77.743,50.382 77.926,50.458 77.999,50.642 77.999,52.247 78.077,52.435 78.265,52.512 78.453,52.435 78.531,52.247 78.531,50.645 78.606,50.463 78.788,50.389 81.466,50.389 81.646,50.464 81.721,50.645 81.721,53.044 81.762,53.247 81.877,53.42 82.05,53.536 82.254,53.576 82.461,53.534 82.63,53.42 82.744,53.251 82.786,53.044 82.786,51.733 82.861,51.552 83.042,51.477 84.662,51.477 84.843,51.552 84.918,51.733 84.918,53.325 84.993,53.506 85.174,53.581 89.453,53.581 89.636,53.5 89.705,53.312 89.705,50.913 94.988,50.913 96.042,50.913
Top Solder:
Mechanical 2:
  lines w0.013: 93.95,50.913 93.949,50.918 ; 78.265,52.512 78.077,52.435 77.999,52.247 77.999,50.642 77.926,50.458 77.743,50.382 72.407,50.382 72.226,50.457 72.151,50.638 72.151,53.299 72.073,53.498 71.873,53.576 66.562,53.569 50.95,53.569 50.95,79.629 96.077,79.629 96.077,77.812 96.077,50.913 94.988,50.913 93.667,50.913 89.705,50.913 89.705,53.312 89.636,53.5 89.453,53.581 85.174,53.581 84.993,53.506 84.918,53.325 84.918,51.733 84.843,51.552 84.662,51.477 83.042,51.477 82.861,51.552 82.786,51.733 82.786,53.044 82.744,53.251 82.63,53.42 82.461,53.534 82.254,53.576 ; 78.265,52.512 78.265,52.512 ; 78.265,52.512 78.453,52.435 78.531,52.247 78.531,50.645 78.606,50.463 78.788,50.389 81.466,50.389 81.646,50.464 81.721,50.645 81.721,53.044 81.762,53.247 81.877,53.42 82.05,53.536 82.254,53.576 ; 82.254,53.576 82.254,53.576

## Text inside footprints (layer, text, board x,y; h text height)
J3: Top 3D Body "PCB Edge" at 95.125,81.625 h0.81 r90
U4: Top 3D Body "*" at 66.979,75.774 h1.27 r90; Top Overlay "*" at 66.979,73.641 h1.27 r90